# Altium PCB LimeSDR-X3_1v0.PcbDoc (part 10 of 25) (continued)
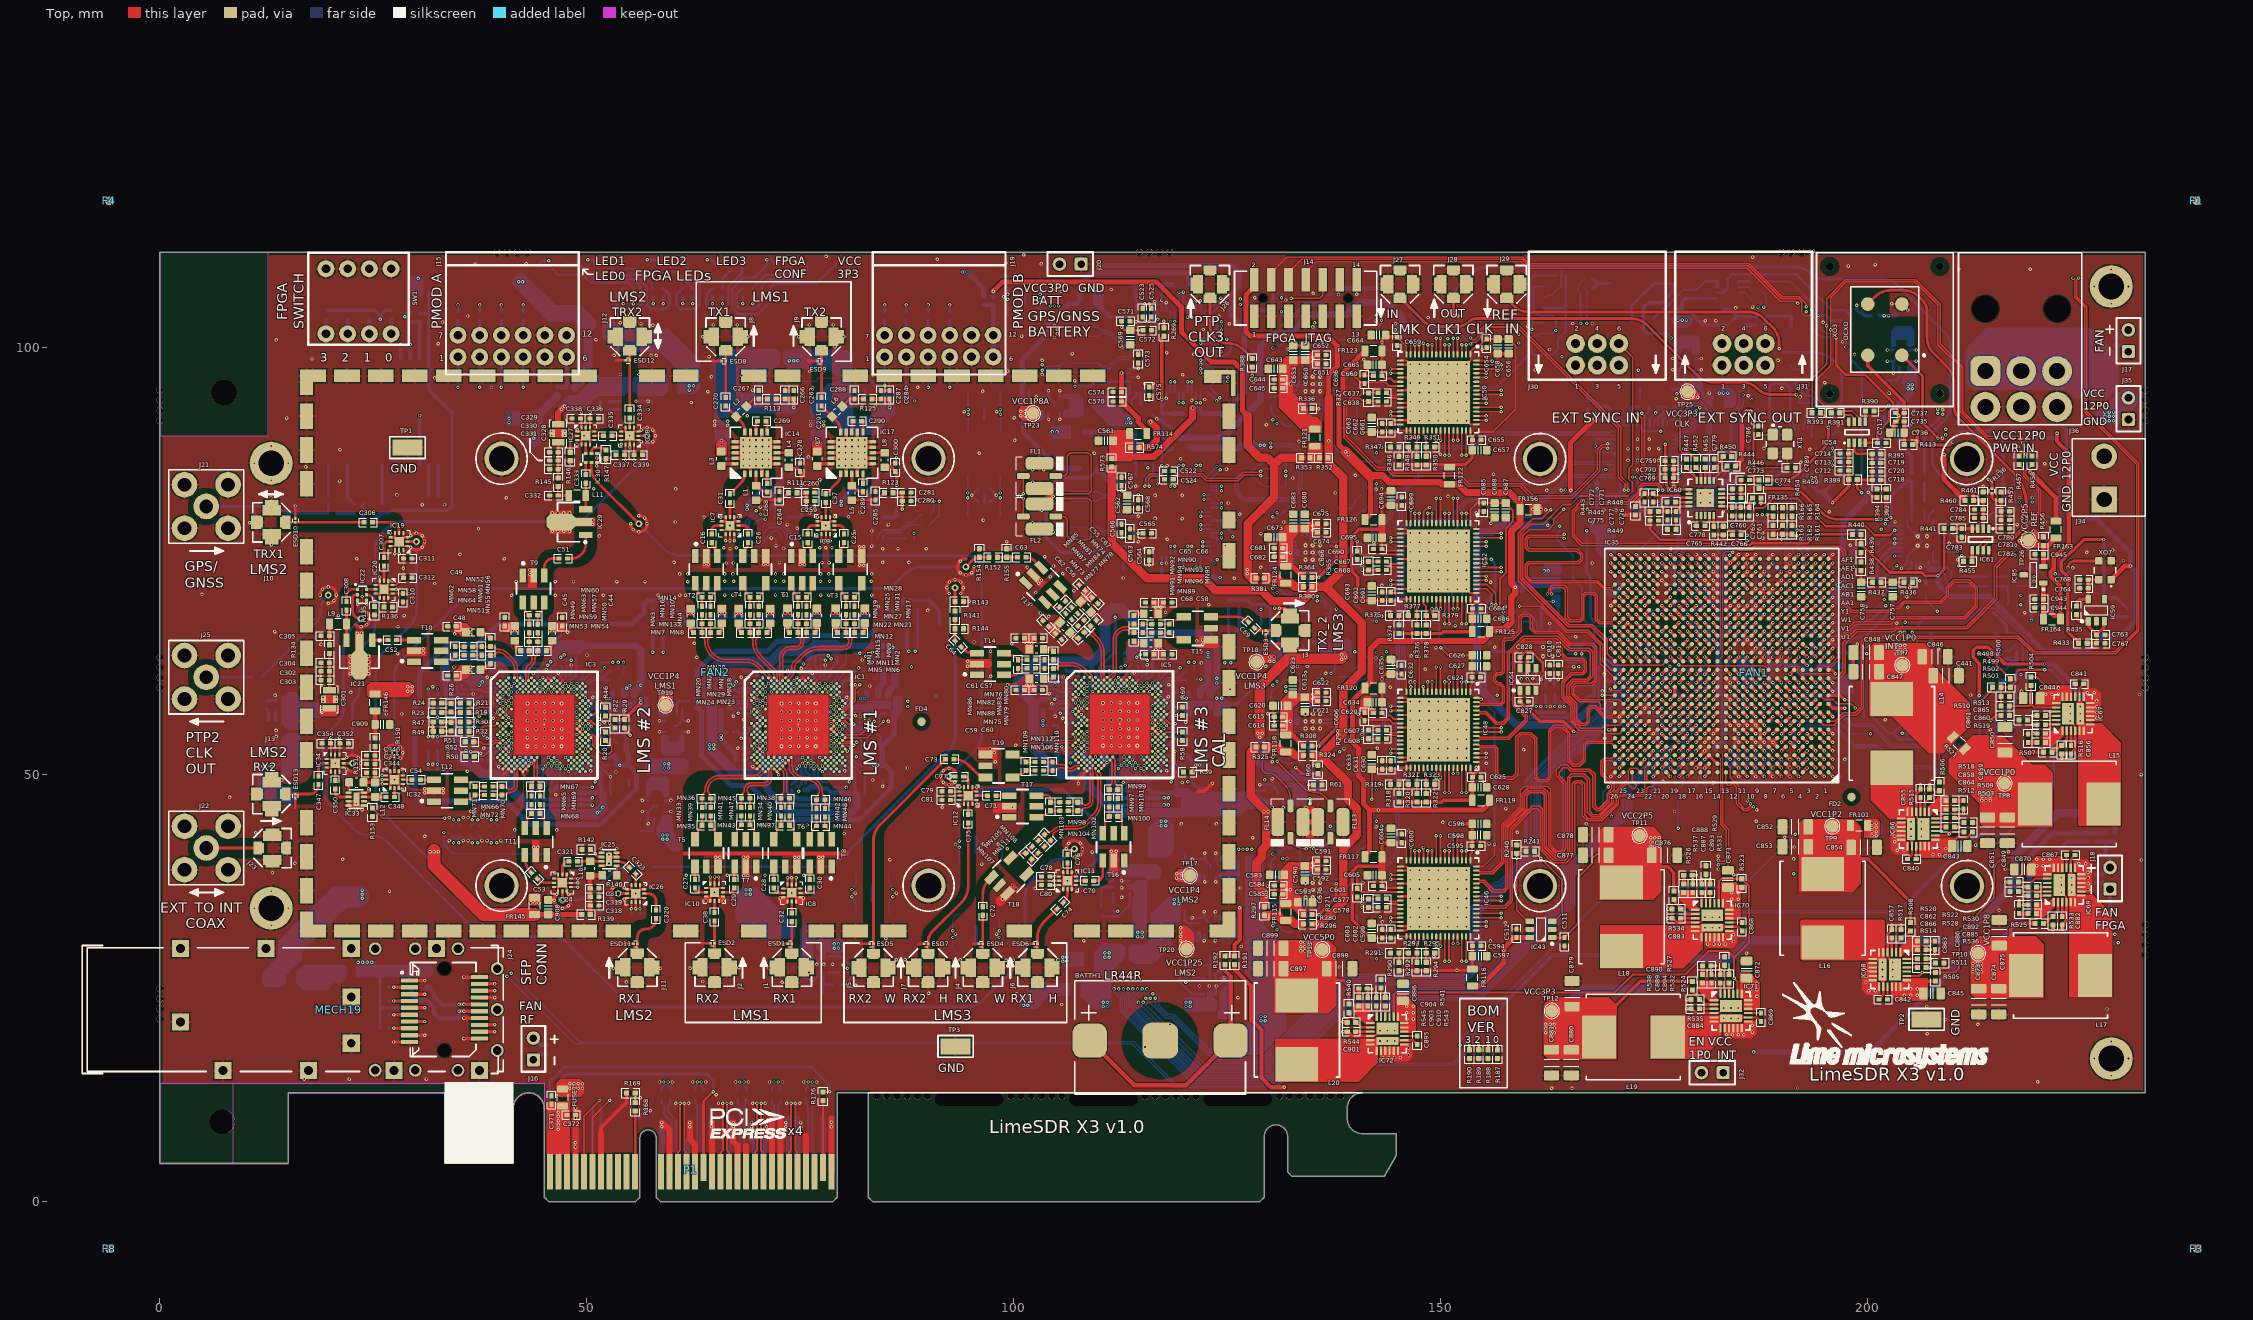
[diagram p0: Top view]
## Nets (pads, with @x,y where several pads share a name; then routed paths per layer and width w, separated by ;. In a path a pad name is that pad's centre, name@x,y a point inside that pad or via, vN(x,y) a via of type N, cw(c..) or ccw(c..) an arc to the next point about the centre after c; other vN are vias at no path point) (continued)
  other v2: 114.887,50.734 46.494,51.011 76.244,51.011 113.888,51.067 114.221,51.4 43.164,51.677 45.828,51.677 75.578,51.677 110.558,51.733 113.222,51.733 42.165,52.01 45.495,52.01 75.245,52.01 109.559,52.066 112.889,52.066 117.218,53.065 41.166,59.669 70.916,59.669 108.56,59.725 108.893,60.724
  other v3: 146.4,32.2 147.5,32.2 148.6,32.2 149.7,32.2 150.8,32.2 151.9,32.2 153,32.2 146.4,33.3 147.5,33.3 148.6,33.3 149.7,33.3 150.8,33.3 151.9,33.3 153,33.3 146.4,34.4 147.5,34.4 148.6,34.4 149.7,34.4 150.8,34.4 151.9,34.4 153,34.4 146.4,35.5 147.5,35.5 148.6,35.5 149.7,35.5 150.8,35.5 151.9,35.5 153,35.5 146.4,36.6 147.5,36.6 148.6,36.6 149.7,36.6 150.8,36.6 151.9,36.6 153,36.6 146.4,37.7 147.5,37.7 148.6,37.7 149.7,37.7 150.8,37.7 151.9,37.7 153,37.7 146.4,38.8 147.5,38.8 148.6,38.8 149.7,38.8 150.8,38.8 151.9,38.8 153,38.8 146.4,51.95 147.5,51.95 148.6,51.95 149.7,51.95 150.8,51.95 151.9,51.95 153,51.95 146.4,53.05 147.5,53.05 148.6,53.05 149.7,53.05 150.8,53.05 151.9,53.05 153,53.05 146.4,54.15 147.5,54.15 148.6,54.15 149.7,54.15 150.8,54.15 151.9,54.15 153,54.15 146.4,55.25 147.5,55.25 148.6,55.25 149.7,55.25 150.8,55.25 151.9,55.25 153,55.25 146.4,56.35 147.5,56.35 148.6,56.35 149.7,56.35 150.8,56.35 151.9,56.35 153,56.35 146.4,57.45 147.5,57.45 148.6,57.45 149.7,57.45 150.8,57.45 151.9,57.45 153,57.45 146.4,58.55 147.5,58.55 148.6,58.55 149.7,58.55 150.8,58.55 151.9,58.55 153,58.55 146.4,71.7 147.5,71.7 148.6,71.7 149.7,71.7 150.8,71.7 151.9,71.7 153,71.7 146.4,72.8 147.5,72.8 148.6,72.8 149.7,72.8 150.8,72.8 151.9,72.8 153,72.8 146.4,73.9 147.5,73.9 148.6,73.9 149.7,73.9 150.8,73.9 151.9,73.9 153,73.9 146.4,75 147.5,75 148.6,75 150.8,75 151.9,75 153,75 146.4,76.1 147.5,76.1 148.6,76.1 149.7,76.1 150.8,76.1 151.9,76.1 153,76.1 146.4,77.2 147.5,77.2 148.6,77.2 149.7,77.2 150.8,77.2 151.9,77.2 153,77.2 146.4,78.3 147.5,78.3 148.6,78.3 149.7,78.3 150.8,78.3 151.9,78.3 153,78.3 146.4,91.45 147.5,91.45 148.6,91.45 149.7,91.45 150.8,91.45 151.9,91.45 153,91.45 146.4,92.55 147.5,92.55 148.6,92.55 149.7,92.55 150.8,92.55 151.9,92.55 153,92.55 146.4,93.65 147.5,93.65 148.6,93.65 149.7,93.65 150.8,93.65 151.9,93.65 153,93.65 146.4,94.75 147.5,94.75 148.6,94.75 150.8,94.75 151.9,94.75 153,94.75 146.4,95.85 147.5,95.85 148.6,95.85 149.7,95.85 151.9,95.85 153,95.85 146.4,96.95 147.5,96.95 148.6,96.95 149.7,96.95 150.8,96.95 153,96.95 146.4,98.05 147.5,98.05 148.6,98.05 149.7,98.05 150.8,98.05 151.9,98.05
  other v4: 142.875,20 143.725,20 144.575,20 183.125,22.675 183.975,22.675 184.825,22.675 202.9,26.325 202.9,27.175 202.9,28.025 180.926,33.279 181.776,33.279 182.626,33.279 134.15,35.65 135,35.65 135.85,35.65 222.65,36.225 134.15,36.5 135.85,36.5 222.65,37.075 134.15,37.35 135,37.35 135.85,37.35 222.65,37.925 206.25,42.775 206.25,43.625 206.25,44.475 43.031,53.334 72.781,53.334 110.425,53.39 114.425,53.39 134.15,55.4 135,55.4 135.85,55.4 134.15,56.25 135.85,56.25 223.675,56.275 134.15,57.1 135,57.1 135.85,57.1 223.675,57.125 223.675,57.975 43.031,58.334 47.031,58.334 72.781,58.334 76.781,58.334 110.425,58.39 114.425,58.39 161.95,63.85 163.05,63.85 161.95,64.95 163.05,64.95 134.15,75.15 135,75.15 135.85,75.15 134.15,76 135.85,76 206.925,76.8 134.15,76.85 135,76.85 135.85,76.85 205.825,77.9 206.925,77.9 180.4,81.85 181.5,81.85 180.4,82.95 181.5,82.95 134.15,94.9 135,94.9 135.85,94.9 134.15,95.75 135.85,95.75 134.15,96.6 135,96.6 135.85,96.6
  other v6: 122.865,25.25 77.735,27.775 112.6,36.752
GND_ADC: C496.1 C497.2 FR103.2 IC35.M11 IC35.N11 IC35.P11 IC35.P12 | length 5.3
  Top w0.4: IC35.P12@184.375,63.275 v1(184.875,63.775) ; IC35.M11@185.375,61.275 v1(185.875,60.775) ; IC35.N11@185.375,62.275 v1(185.875,61.775) ; IC35.P11@185.375,63.275 v1(185.875,63.775)
  Bottom w0.4: C496.1@183.375,61.275 C497.2@184.375,61.275 185.8,61.275
GNSS_RF_IN: C510.1 ESD14.1 J21.1 L13.1 | length 15.6
  Bottom w0.325: J21.1@5.425,81.4 ESD14.1@11.075,81.4 13.251,81.4 cw(c13.251,80.376) 13.975,81.1 ccw(c15.122,82.247) 15.122,80.625 L13.1@19.7,80.625 C510.1@19.7,81.725
GNSS_TPULSE: IC35.L20 IC42.3 | length 213.7
  Top w0.4: IC35.L20@176.375,60.275 v1(176.875,59.775)
  L4 w0.1: v1(30.4,92.05) 27.375,95.075 27.375,100.175 27.925,100.725 28.859,100.725 34.109,105.975 64.45,105.975 66.75,103.675 70.2,103.675 72.675,106.15 95.925,106.15 96.925,107.15 104.391,107.15 106.975,104.566 106.975,100.584 104.9,98.509 104.9,94.084 103.3,92.484 103.3,89.25 108.1,84.45 108.1,75.425 115.925,67.6 118,67.6 118.85,66.75 122.45,66.75 123.275,65.925 130.425,65.925 131.95,64.4 131.95,61.716 132.441,61.225 134.45,61.225 136.075,62.85 143.309,62.85 144.109,63.65 145.441,63.65 146.166,62.925 147.534,62.925 147.959,63.35 152.959,63.35 155.184,61.125 158.6,61.125 159.225,60.5 167.8,60.5 168.425,61.125 172.03,61.125 172.83,60.325 174.225,60.325 174.4,60.15 176,60.15 176.375,59.775 v1(176.875,59.775)
  Bottom w0.4: IC42.3@30.4,86.225 v1(30.4,92.05)
GNSS_UART_RX: IC35.L25 IC42.21 | length 191.8
  Top w0.1: v1(169.825,60.025) 169.975,59.875 170.975,59.875 IC35.L25@171.375,60.275
  L4 w0.1: v1(29.3,100.375) 29.3,100.883 34.192,105.775 63.5,105.775 65.8,103.475 70.283,103.475 72.758,105.95 96.008,105.95 97.008,106.95 104.308,106.95 106.775,104.483 106.775,100.667 104.7,98.592 104.7,94.167 103.1,92.567 103.1,89.158 107.9,84.358 107.9,75.342 115.842,67.4 117.917,67.4 118.767,66.55 122.367,66.55 123.192,65.725 130.342,65.725 131.75,64.317 131.75,61.633 132.358,61.025 134.533,61.025 136.083,62.575 138.05,62.575 138.6,62.025 143.5,62.025 144,61.525 153.208,61.525 154.448,60.285 157.257,60.285 157.792,59.75 164.799,59.75 165.274,59.275 168.299,59.275 168.649,58.925 169.045,58.925 169.825,59.705 v1(169.825,60.025)
  Bottom w0.4: IC42.21@29.3,98.625 v1(29.3,100.375)
GNSS_UART_TX: IC35.L24 IC42.20 | length 194
  Top w0.4: v1(171.875,59.775) IC35.L24@172.375,60.275
  L4 w0.1: v1(28.2,100.375) 28.55,100.025 29.445,100.025 29.8,100.38 29.8,101.1 34.275,105.575 63.4,105.575 65.7,103.275 70.366,103.275 72.841,105.75 96.1,105.75 96.475,106.125 97.725,106.125 98.35,106.75 104.225,106.75 105.675,105.3 106.575,104.4 106.575,100.75 104.5,98.675 104.5,94.25 102.9,92.65 102.9,89.075 107.7,84.275 107.7,75.259 115.759,67.2 117.834,67.2 118.684,66.35 122.284,66.35 123.109,65.525 130.259,65.525 131.55,64.234 131.55,61.55 132.275,60.825 134.616,60.825 136.166,62.375 137.9,62.375 138.475,61.8 143.442,61.8 143.967,61.275 153.175,61.275 154.365,60.085 157.174,60.085 157.709,59.55 164.716,59.55 165.191,59.075 168.216,59.075 168.566,58.725 169.155,58.725 170.205,59.775 v1(171.875,59.775)
  Bottom w0.4: IC42.20@28.2,98.625 v1(28.2,100.375)
GNSS_USB_VDD: IC42.7 R238.1 R239.1 | length 4.5
  Bottom w0.4: R238.1@26,81.676 IC42.7@26,86.225
GNSS_VCC_RF: IC42.9 R235.2 | length 4.9
  Bottom w0.4: IC42.9@21.9,86.225 21.9,82.6 R235.2@22.775,81.725
LM75_OS: IC35.U24 IC38.3 R199.1 R228.1 | length 168.2
  Top w0.4: v1(171.875,66.775) IC35.U24@172.375,66.275
  L3 w0.1: v1(210.975,75.65) 214.7,75.65 220.025,70.325 220.025,48.45 226.85,41.625 226.85,34.625 229.3,32.175 v1(229.3,30.3)
  L6 w0.1: v1(137.764,69.386) 138.064,69.686 147.739,69.686 149,68.425 150.7,68.425 v1(151.675,67.45) ; v1(163.9,79.075) 165.675,79.075 169.125,82.525 178.975,82.525 179.975,83.525 188.6,83.525 188.9,83.225 190,83.225 191.4,81.825 192.625,81.825 196.35,78.1 203.425,78.1 205.875,75.65 v1(210.975,75.65)
  Bottom w0.15: IC38.3@136.49,68.411 R199.1@137.739,68.411 ; R199.1@137.764,68.436 v1(137.764,69.386) ; v1(151.675,67.45) 151.675,68.025 152.55,68.9 152.55,78.55 153.25,79.25 154.325,79.25 155.2,80.125 162.85,80.125 v1(163.9,79.075) 163.9,78.55 163.55,78.2 163.55,77.55 165.5,75.6 165.5,72.925 166.475,71.95 166.475,68.35 167.475,67.35 171.3,67.35 v1(171.875,66.775)
  Bottom w0.4: R228.1@228.35,30.3 v1(229.3,30.3)
LMK1_C1_N: C741.2 R421.1 | length 1.4
  Bottom w0.3: C741.2@215.05,73.175 R421.1@216.45,73.175
LMK1_C1_P: C739.2 R414.1 R416.1 R417.1 | length 3.6
  Bottom w0.3: C739.2@215.05,72.075 R417.1@216.45,72.075 R414.1@216.45,70.975 R416.1@216.45,69.875
LMK1_CA1_N: C740.1 IC58.28 | length 5
  Bottom w0.25: IC58.28@206.625,74.95 206.625,74.45 207.2,73.875 208.55,73.875 209.05,73.375 209.05,72.775 209.575,72.25 209.575,72.2 209.7,72.075 C740.1@209.75,72.075
LMK1_CA1_P: C742.1 IC58.27 | length 4
  Bottom w0.25: IC58.27@207.125,74.95 207.125,74.475 207.375,74.225 209.325,74.225 209.75,73.8 C742.1@209.75,73.175
LMK1_CC1_N: C741.1 C742.2 R415.1 R419.2 | length 3.3
  Bottom w0.3: C742.2@210.75,73.175 C741.1@214.05,73.175
LMK1_CC1_P: C739.1 C740.2 R415.2 | length 3.3
  Bottom w0.3: C740.2@210.775,72.075 C739.1@214.05,72.075
LMK1_CLK1: IC35.W21 IC58.1 | length 145.7
  Top w0.4: v1(174.875,68.775) IC35.W21@175.375,68.275
  L8 w0.1: v1(174.875,68.775) 174.875,68.325 175.45,67.75 175.45,65.625 175.65,65.425 177.73,65.425 179.225,63.93 179.225,61.63 179.02,61.425 178.69,61.425 178.225,60.96 178.225,60.63 177.995,60.4 177.745,60.4 177.02,61.125 176.73,61.125 176.525,60.92 176.525,60.62 177.195,59.95 178.545,59.95 179.77,61.175 180.97,61.175 181.225,60.92 181.225,60.62 180.525,59.92 180.525,48.225 199.975,28.775 203.15,28.775 207.075,24.85 217.3,24.85 224.875,32.425 224.875,38.55 223.925,39.5 223.925,46.35 217.375,52.9 217.375,64.725 213.4,68.7 211.375,68.7 206.609,73.466 205.275,73.466 v1(203.141,75.6)
  Bottom w0.25: v1(203.141,75.6) IC58.1@203.975,75.6
LMK1_CLK1_IN: J27.1 R416.2 | length 88.6
  Top w0.325: J27.1@145.342,105.725 147.936,103.131 ccw(c149.519,104.713) 149.519,102.475 151.876,102.475 ccw(c151.876,104.524) 153.325,103.075 cw(c154.11,102.29) 154.11,103.4 172.323,103.4 cw(c172.323,100.86) 174.119,102.656 180.081,96.694 ccw(c181.877,98.49) 181.877,95.95 185.248,95.95 cw(c185.248,93.41) 187.044,95.206 ccw(c188.744,96.906) 188.744,94.502 v1(191.625,94.502)
  L8 w0.1: v1(191.625,94.502) 191.625,94.427 ccw(c194.165,94.427) 192.369,92.631 205.206,79.794 ccw(c207.002,81.59) 207.002,79.05 208.348,79.05 cw(c208.348,76.51) 210.144,78.306 215.514,72.936 cw(c214.703,72.125) 215.85,72.125 ccw(c216.331,72.125) 215.991,71.785 v1(217.901,69.875)
  Bottom w0.325: R416.2@217.45,69.875 v1(217.901,69.875)
LMK1_CLK2: IC35.R3 IC58.3 | length 21.6
  Top w0.4: IC35.R3@193.375,64.275 v1(193.875,63.775)
  Bottom w0.25: 203.141,76.6 IC58.3@203.975,76.6
  Bottom w0.325: v1(193.875,63.775) 194.032,63.932 ccw(c193.264,64.7) 194.35,64.7 194.35,64.725 cw(c194.9,64.725) 194.9,65.275 196.899,65.275 ccw(c196.899,66.726) 197.925,65.7 cw(c198.77,64.855) 198.77,66.05 ccw(c198.77,67.994) 200.144,66.619 202.356,68.831 ccw(c201.164,70.024) 202.85,70.024 ccw(c200.432,70.024) 202.142,71.733 201.58,72.295 cw(c202.861,73.575) 201.05,73.575 201.05,73.848 cw(c203.59,73.848) 201.794,75.644 202.474,76.324 cw(c203.141,75.656) 203.141,76.6
LMK1_CLKOUT: IC58.17 R418.2 | length 3
  Bottom w0.25: IC58.17@208.775,79.1 209.096,79.1 ccw(c209.096,80.379) 210.375,80.379 R418.2@210.375,81.05
LMK1_SEL0: IC35.K15 R420.1 | length 116.3
  Top w0.4: v1(180.875,58.775) IC35.K15@181.375,59.275
  L8 w0.1: v1(180.875,58.775) 181.225,58.425 181.225,47.808 199.983,29.05 203.225,29.05 207.2,25.075 217.242,25.075 224.675,32.508 224.675,38.45 223.7,39.425 223.7,45.425 216.825,52.3 216.825,64.45 213.45,67.825 209.425,67.825 v1(208.125,69.125)
  Bottom w0.2: R420.1@206.775,71.225 206.775,70.475 v1(208.125,69.125)
LMK2_CLK: IC35.M21 IC64.3 | length 18.2
  Top w0.15: v1(160.125,61.2) 160.925,60.4 160.925,60.275 161.15,60.05 IC64.3@161.15,59.85
  Top w0.4: v1(174.875,60.775) IC35.M21@175.375,61.275
  L4 w0.1: v1(160.125,61.2) 160.7,61.775 164.188,61.775 165.013,60.95 167.967,60.95 168.342,61.325 172.113,61.325 172.313,61.125 174.158,61.125 174.508,60.775 v1(174.875,60.775)
LMK2_CLK_LS: IC62.8 IC64.4 | length 2.2
  Top w0.325: v1(160.75,61.229) 161.15,61.629 IC64.4@161.15,62.45
  Bottom w0.25: v1(160.75,61.229) IC62.8@160.75,62
LMK2_CLKIN0: C787.2 IC58.5 | length 64.2
  L6 w0.1: v1(155.9,75.2) 157.75,77.05 162.65,77.05 164.225,78.625 165.6,78.625 169.275,82.3 181.45,82.3 182.475,83.325 188.4,83.325 188.75,82.975 189.85,82.975 191.275,81.55 192.525,81.55 196.475,77.6 v1(203.141,77.6)
  Bottom w0.25: v1(203.141,77.6) IC58.5@203.975,77.6
  Bottom w0.325: C787.2@155.772,65.475 C787.2@155.697,65.4 cw(c156.594,66.297) 155.325,66.297 155.325,69.583 cw(c157.117,69.583) 155.85,70.85 ccw(c154.643,72.057) 156.35,72.057 156.35,74.114 ccw(c154.814,74.114) v1(155.9,75.2)
LMK2_CLKIN1: C791.2 IC35.P4 | length 69.2
  Top w0.4: IC35.P4@192.375,63.275 v1(192.875,62.775)
  L6 w0.1: v1(167.075,78.575) 167.075,79.525 168.95,81.4 181.642,81.4 183.342,83.1 188.25,83.1 188.625,82.725 189.7,82.725 191.15,81.275 192.4,81.275 193.725,79.95 193.725,78.95 197.85,74.825 198.75,74.825 199.525,74.05 199.525,72.355 v1(202.09,69.79)
  Bottom w0.325: v1(167.075,78.575) 167.075,73.797 ccw(c167.672,73.797) 167.25,73.375 cw(c166.646,72.771) 167.5,72.771 167.5,68.936 ccw(c169.036,68.936) C791.2@167.95,67.85 ; v1(192.875,62.775) 192.968,62.868 ccw(c191.987,63.85) 193.375,63.85 193.375,64.7 cw(c194.925,64.7) 194.925,66.25 197.05,66.25 ccw(c197.05,67.457) 197.903,66.603 198.961,67.661 cw(c199.9,66.722) 199.9,68.05 ccw(c199.9,69.136) 200.667,68.367 v1(202.09,69.79)
LMK2_SEL0: IC35.H21 R470.1 | length 17.2
  Top w0.4: IC35.H21@175.375,57.275 v1(175.875,57.775)
  L4 w0.1: v1(169.975,45.1) 170.8,45.1 175.475,49.775 175.475,54.87 176.225,55.62 176.225,57.425 v1(175.875,57.775)
  Bottom w0.2: v1(169.975,45.1) R470.1@169.975,45.75
LMS1_CORE_LDO_EN: IC1.U33 R5.1 | length 3.8
  Bottom w0.2: v2(79.907,56.006) 79.949,56.048 80.395,56.048 81.274,55.169 82.656,55.169 R5.1@83.131,54.694
LMS1_DIQ1_D0: IC1.AG31 IC35.V4 | length 184.1
  Top w0.4: IC35.V4@192.375,67.275 v1(192.875,67.775)
  L3 w0.1: v2(79.241,52.676) 80.46,51.457 84.707,51.457 85.5,52.25 91.45,52.25 94.75,55.55 95.849,55.55 110,69.701 110,81.925 116.264,88.189 121.915,88.189 129.161,95.435 129.161,100.144 129.161,100.427 130.309,101.575 134.958,101.575 136.108,102.725 139.933,102.725 142.008,104.8 152.624,104.8 153.626,103.798 172.51,103.798 173.558,102.75 189.741,102.75 191.2,101.291 191.2,94.208 192.6,92.808 192.6,86.15 192.025,85.575 192.025,82.479 190.425,80.879 190.425,77.284 189.45,76.309 189.45,74.5 189.3,74.35 189.3,72.855 189.83,72.325 190.103,72.325 190.425,72.003 190.425,71.73 190.73,71.425 191.025,71.425 191.525,70.925 191.525,70.63 192.25,69.905 192.25,68.4 v1(192.875,67.775)
LMS1_DIQ1_D1: IC1.AF30 IC35.W5 | length 184.7
  Top w0.4: IC35.W5@191.375,68.275 v1(191.875,68.775)
  L3 w0.1: v2(78.908,53.009) 78.583,52.684 78.583,52.182 79.519,51.246 82.25,51.246 82.75,50.746 84.546,50.746 85.75,51.95 91.581,51.95 94.881,55.25 96.2,55.25 100.8,59.85 102,59.85 102.575,60.425 102.575,61.994 110.2,69.619 110.2,78.709 110.2,81.842 116.347,87.989 121.998,87.989 129.361,95.352 129.361,100.344 130.392,101.375 135.041,101.375 136.191,102.525 140.016,102.525 142.091,104.6 152.541,104.6 153.543,103.598 172.427,103.598 173.475,102.55 189.658,102.55 190.925,101.283 190.925,94.025 191.7,93.25 191.7,82.445 190.225,80.97 190.225,77.367 189.25,76.392 189.25,74.583 189.1,74.433 189.1,72.772 189.747,72.125 190.02,72.125 190.225,71.92 190.225,71.647 190.689,71.184 190.961,71.184 191.325,70.82 191.325,70.3 191.525,70.1 191.525,69.125 v1(191.875,68.775)
LMS1_DIQ1_D2: IC1.AF34 IC35.AC6 | length 183.9
  Top w0.2: IC1.AF34@80.24,53.009 v1@80.492,52.757
  Top w0.4: IC35.AC6@190.375,72.275 v1(190.875,72.775)
  L3 w0.1: v1(80.485,52.757) 80.485,52.161 80.625,52.021 80.935,52.021 81.735,52.821 82.129,52.821 82.975,51.975 83.8,51.975 84.025,52.2 84.025,52.6 84.225,52.8 91.1,52.8 94.65,56.35 94.975,56.35 95.35,55.975 95.708,55.975 96,56.267 96,56.65 96.2,56.85 96.583,56.85 96.875,57.142 96.875,57.519 96.45,57.944 96.45,58.225 97.3,59.075 98.808,59.075 100.6,60.867 100.717,60.984 109.6,69.867 109.6,83.267 114.922,88.589 121.749,88.589 128.761,95.601 128.761,97.514 128.175,98.1 128.175,100.006 130.144,101.975 133.688,101.975 135.013,103.3 139.875,103.3 141.775,105.2 152.789,105.2 153.792,104.198 172.86,104.198 173.733,103.325 174.367,103.325 174.917,103.875 175.508,103.875 176.183,103.2 176.817,103.2 177.442,103.825 182.467,103.825 183.017,103.275 189.781,103.275 191.85,101.206 191.85,97.5 193,96.35 193,90.294 193.9,89.394 193.9,88.65 193.575,88.325 193.575,86.15 192.625,85.2 192.625,84.65 193.575,83.7 193.575,83.358 191,80.783 191,77.294 189.85,76.144 189.85,74.417 190.3,73.967 190.3,73.35 v1(190.875,72.775)
LMS1_DIQ1_D3: IC1.AE31 IC35.AB6 | length 183.9
  Top w0.4: IC35.AB6@190.375,71.275 v1(190.875,71.775)
  L3 w0.1: v2(79.241,53.342) 79.701,53.342 79.899,53.143 79.899,52.322 80.564,51.657 84.624,51.657 85.517,52.55 91.316,52.55 94.516,55.75 95.766,55.75 97.25,57.234 97.25,58.5 97.5,58.75 98.766,58.75 100.8,60.784 109.8,69.784 109.8,78.875 109.8,83.184 115.004,88.389 121.832,88.389 128.961,95.518 128.961,98.15 128.5,98.611 128.5,100.049 130.226,101.775 134.875,101.775 136.125,103.025 139.95,103.025 141.925,105 152.706,105 153.709,103.998 172.777,103.998 173.65,103.125 174.45,103.125 175,103.675 175.425,103.675 176.1,103 176.9,103 177.525,103.625 182.384,103.625 182.934,103.075 189.699,103.075 191.525,101.249 191.525,97.3 192.8,96.025 192.8,89.925 193.2,89.525 193.2,88.85 192.8,88.45 192.8,87.7 193.225,87.275 193.225,86.3 192.35,85.425 192.35,84.45 193.025,83.775 193.025,83.183 190.725,80.883 190.725,77.301 189.65,76.226 189.65,74.417 189.5,74.267 189.5,73.645 190.875,72.27 v1(190.875,71.775)
LMS1_DIQ1_D4: IC1.AD30 IC35.W4 | length 184.6
  Top w0.4: IC35.W4@192.375,68.275 v1(192.875,68.775)
  L3 w0.1: v2(78.908,53.675) 80.97,53.675 81.47,54.175 90.9,54.175 93.125,56.4 93.125,64.716 99.725,71.316 99.725,72.975 104,77.25 105.225,77.25 106.175,78.2 106.175,79.2 108.35,81.375 108.35,83.45 114.325,89.425 121.454,89.425 127.125,95.096 127.125,100.15 129.825,102.85 133.431,102.85 134.856,104.275 139.5,104.275 141.225,106 153.121,106 154.123,104.998 173.527,104.998 173.75,104.775 182.875,104.775 183.5,104.15 190.217,104.15 193,101.367 193,98.325 193.8,97.525 193.8,90.625 195,89.425 195,83.456 193.475,81.931 193.475,78.325 191.325,76.175 191.325,74.83 192.225,73.93 192.225,73 192.45,72.775 192.45,69.2 v1(192.875,68.775)
LMS1_DIQ1_D5: IC1.AC29 IC35.AA7 | length 184.1
  Top w0.4: IC35.AA7@189.375,70.275 v1(189.875,70.775)
  L3 w0.1: v2(78.575,54.008) 78.25,53.683 78.25,52.232 79.436,51.046 80.454,51.046 81.775,49.725 82.225,49.725 82.675,50.175 83.289,50.175 83.739,49.725 83.993,49.725 85.918,51.65 91.575,51.65 94.9,54.975 96.45,54.975 100.975,59.5 102,59.5 102.85,60.35 102.85,61.625 110.9,69.675 110.9,81.008 113.675,83.783 113.675,84.225 114.125,84.675 114.125,85.217 116.647,87.739 122.031,87.739 129.611,95.319 129.611,100.311 130.475,101.175 135.124,101.175 136.274,102.325 140.099,102.325 142.174,104.4 152.458,104.4 153.46,103.398 172.345,103.398 173.392,102.35 189.575,102.35 190.625,101.3 190.625,93.883 191.5,93.008 191.5,82.528 190,81.028 190,78.75 189.225,77.975 189.225,77.275 188.325,76.375 188.325,74.908 188.325,74.547 188.575,74.297 188.575,72.58 189.875,71.28 v1(189.875,70.775)
LMS1_DIQ1_D6: IC1.AE33 IC35.AA5 | length 184
  Top w0.15: IC1.AE33@79.907,53.342 79.907,53.359 80.583,53.359 v1(80.885,53.057)
  Top w0.4: IC35.AA5@191.375,70.275 v1(191.875,70.775)
  L3 w0.1: v1@80.91,53.082 90.882,53.082 97.275,59.475 98.925,59.475 100.4,60.95 109.4,69.95 109.4,83.35 114.839,88.789 121.667,88.789 128.561,95.683 128.561,96.914 127.9,97.575 127.9,100.025 130.05,102.175 133.605,102.175 134.93,103.5 139.725,103.5 141.625,105.4 152.872,105.4 153.874,104.398 172.943,104.398 173.816,103.525 174.284,103.525 174.834,104.075 175.591,104.075 176.266,103.4 176.734,103.4 177.359,104.025 182.55,104.025 183.1,103.475 189.864,103.475 192.125,101.214 192.125,97.65 193.2,96.575 193.2,90.376 194.3,89.276 194.3,88.565 193.825,88.09 193.825,87.617 194.3,87.142 194.3,85.825 193.825,85.35 193.32,85.35 193.05,85.08 193.05,84.63 193.95,83.73 193.95,83.45 191.2,80.7 191.2,77.211 190.075,76.086 190.075,74.475 190.5,74.05 190.5,73.655 191.325,72.83 191.325,71.83 191.875,71.28 v1(191.875,70.775)
LMS1_DIQ1_D7: IC1.AD32 IC35.AB5 | length 184.4
  Top w0.11: IC1.AD32@79.574,53.675 80.182,53.675
  Top w0.15: 80.182,53.675 80.992,53.675 v1(81.235,53.432)
  Top w0.4: IC35.AB5@191.375,71.275 v1(191.875,71.775)
  L3 w0.1: v1(81.235,53.432) 90.722,53.432 93.525,56.235 93.525,64.55 95.075,66.1 102.624,66.1 108.75,72.226 108.75,83.285 114.49,89.025 121.62,89.025 127.525,94.93 127.525,99.984 129.916,102.375 133.522,102.375 134.897,103.75 139.65,103.75 141.5,105.6 152.955,105.6 153.957,104.598 173.362,104.598 173.584,104.375 182.709,104.375 183.334,103.75 190.051,103.75 192.375,101.426 192.375,97.9 193.4,96.875 193.4,90.459 194.5,89.359 194.5,83.6 192.9,82 192.9,80 192.2,79.3 192.2,77.928 190.325,76.053 190.325,74.547 190.647,74.225 191.142,74.225 191.525,73.842 191.525,72.63 191.875,72.28 v1(191.875,71.775)